# Altium PCB Блок 1а (БУ АРМ).PcbDoc (part 2 of 4) (continued)
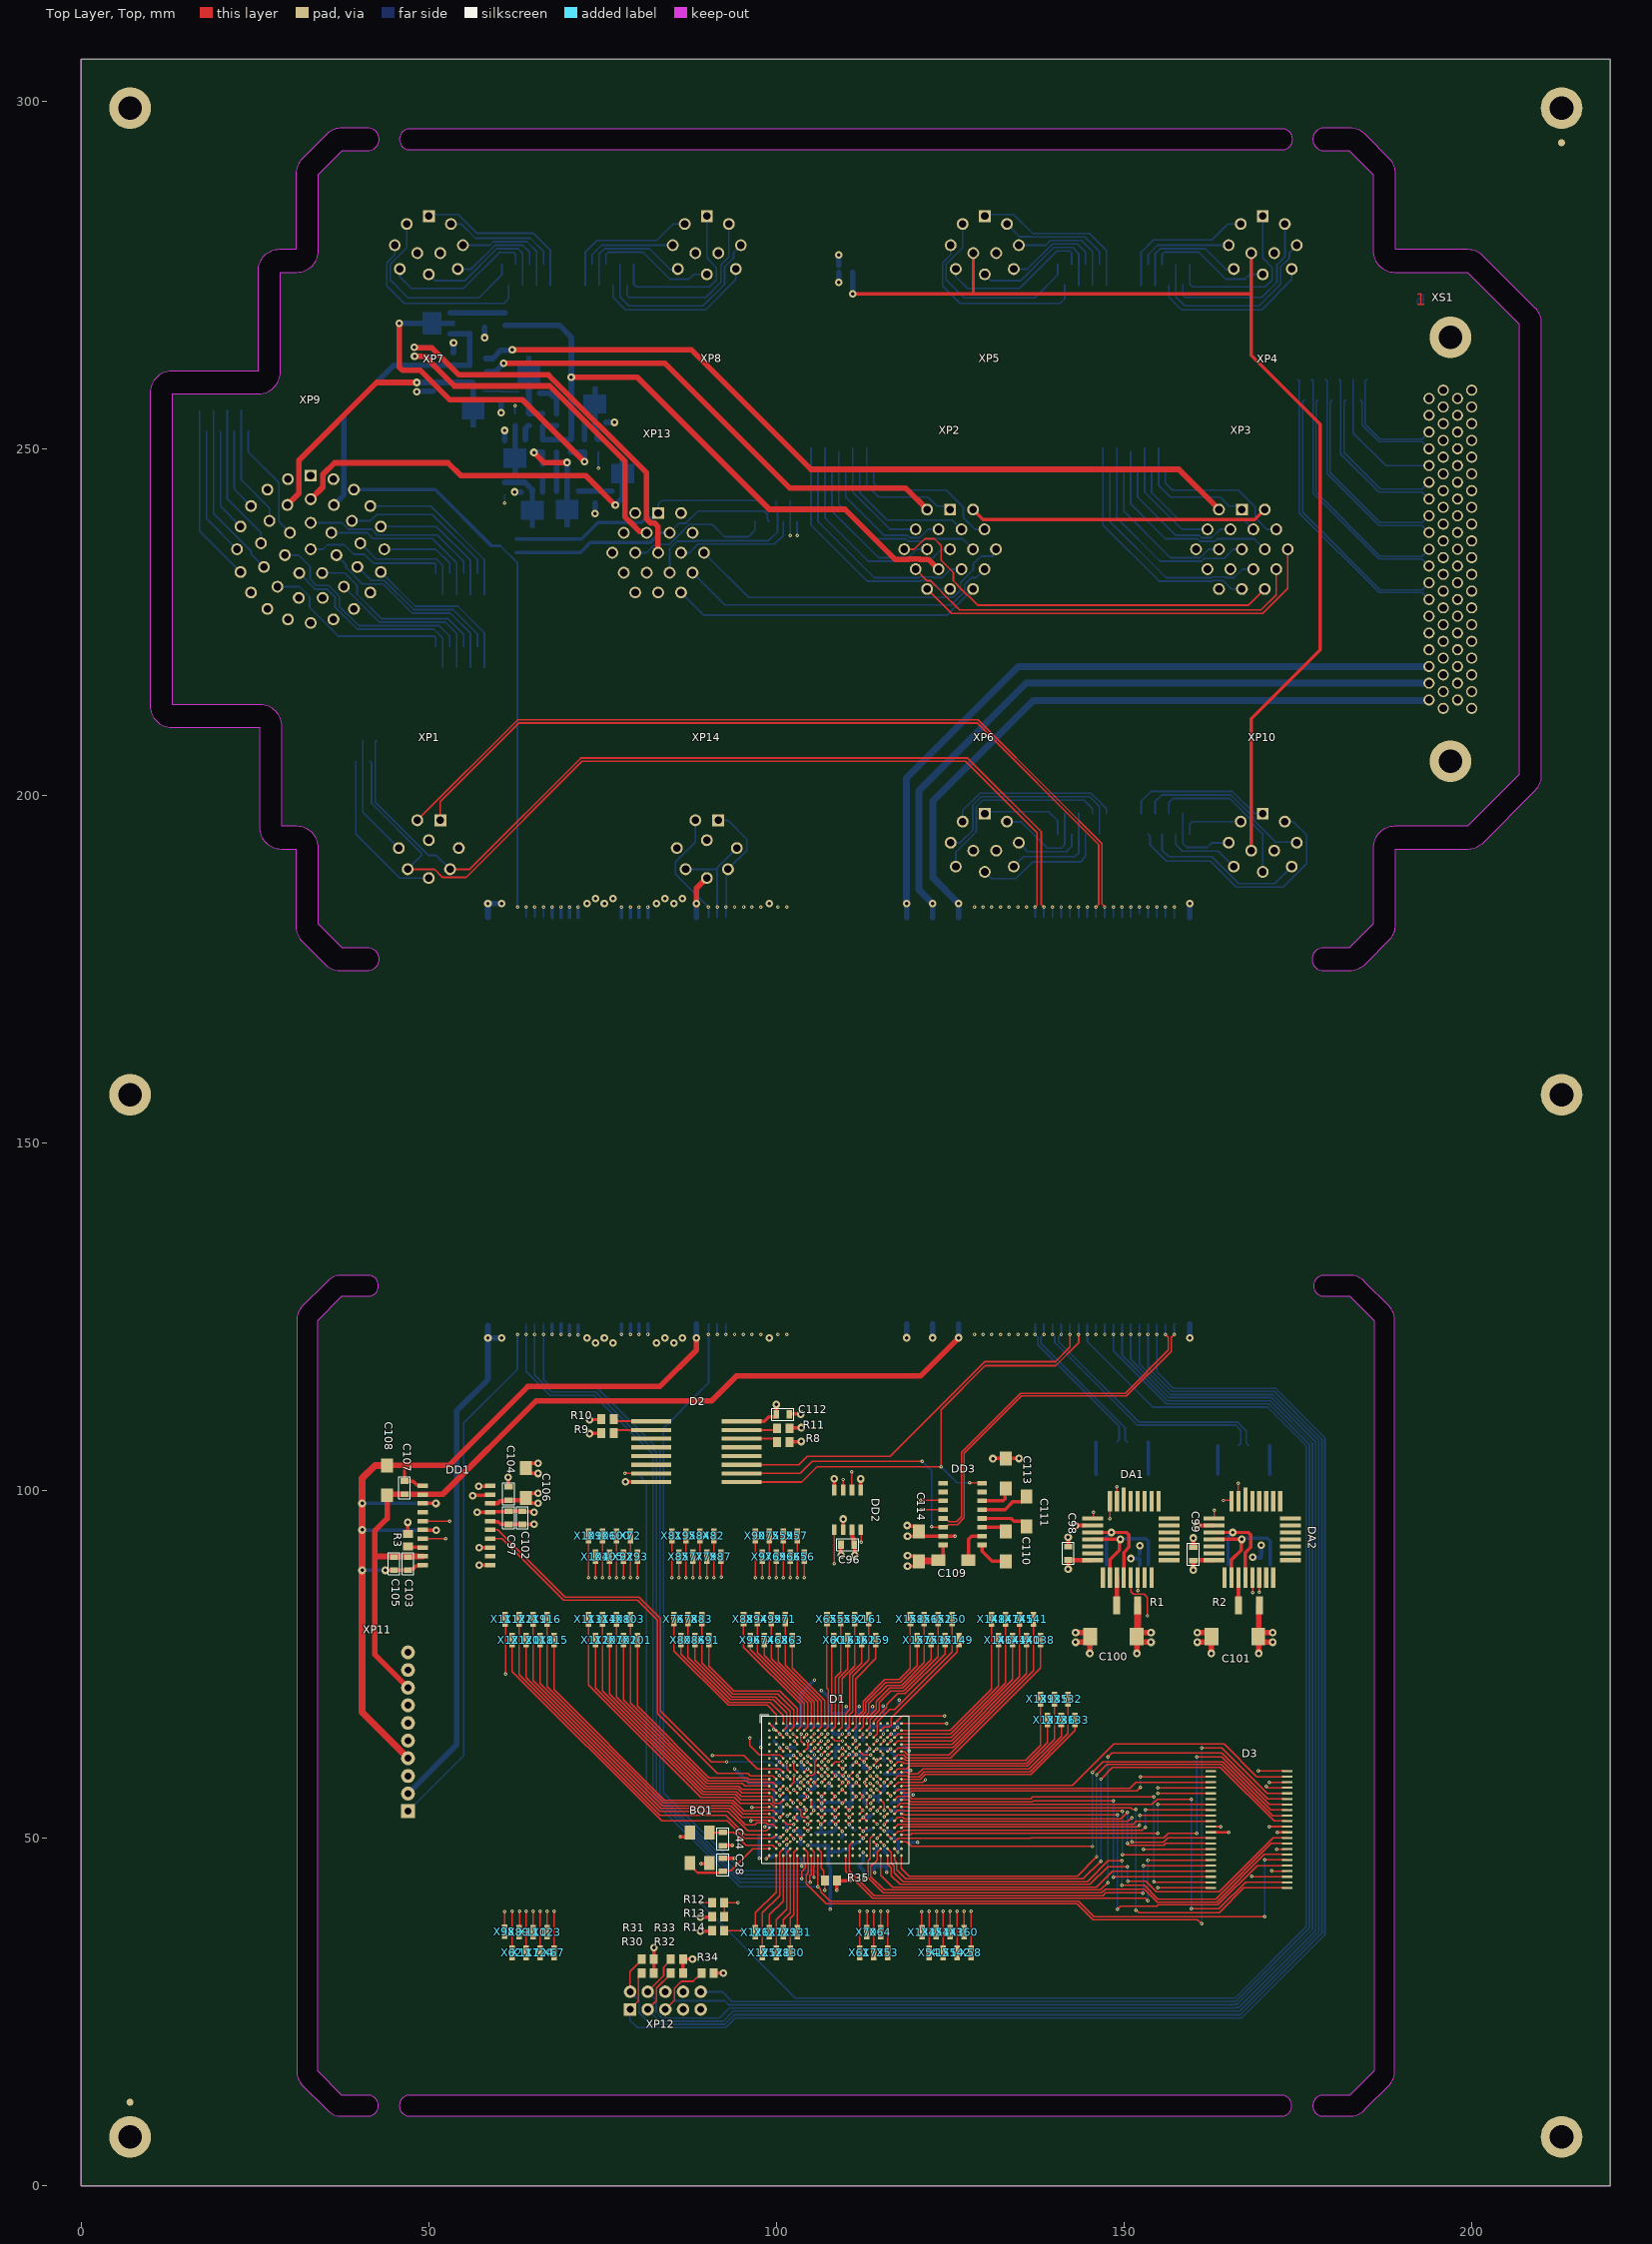
[diagram p0: Top Layer, Top view]
## Nets (pads, with @x,y where several pads share a name; then routed paths per layer and width w, separated by ;. In a path a pad name is that pad's centre, name@x,y a point inside that pad or via, vN(x,y) a via of type N, cw(c..) or ccw(c..) an arc to the next point about the centre after c; other vN are vias at no path point) (continued)
  Bottom Layer w0.8: v2(159.5,122) 159.5,123.35 N61.1@159.5,124 ; N62.1@159.5,182.5 159.5,183.15 v2(159.5,184.5)
  other v1: 163.944,51.638 104.5,52 106.425,52 108.55,52 110.5,52 112.492,53 113.5,56 103.5,58 115.5,58 104.5,60 101.5,65
+5V: C96.1 C98.1 C99.1 C100.1 C101.1 C104.1 C106.1 DA1.10 DA2.10 DD1.8 DD2.3 DD2.5 N55.1 N56.1 R1.1 R2.1 XP11.7 XS1.62 | length 212.4
  Top Layer, Top w0.5: C106.1@63.864,98.19 v2(65.739,98.19) ; C106.1@63.864,99.647 v2(65.739,99.647) ; C96.1@111.254,92.251 111.254,90.766 v2(111.273,90.748) ; v2(112.145,101.7) 112.152,101.693 112.152,100.115 DD2.5@112.159,100.108 ; C100.1@151.85,79 C100.1@151.9,78.95 ; C100.1@151.85,79.6 C100.1@152,79.6 ; C101.1@169.35,79 C101.1@169.4,78.95
  Top Layer, Top w0.6: DD1.8@58.85,98.175 58.875,98.2 59.9,98.2 60.247,98.547 61.364,98.547 C104.1@61.464,98.647 63.664,98.647 C106.1@63.964,98.947 ; DD2.3@110.889,94.393 110.914,94.368 110.914,93.42 111.104,93.23 111.104,92.351 C96.1@111.204,92.251 ; v2(142,88.7) C98.1@142,90.05 142.05,90 DA1.10@145.5,90 ; C99.1@159.95,89.9 C99.1@160,89.95 v2(160,88.6) ; C99.1@160.05,90 DA2.10@163,90
  Top Layer, Top w0.8: C100.1@151.85,78.2 v2(153.925,78.2) ; v2(151.9,76.6) C100.1@151.9,78.95 ; C100.1@152,79.6 v2(153.925,79.6) ; C101.1@169.35,78.2 C101.1@169.4,78.2 ; C101.1@169.35,79 169.425,79.075 C101.1@169.425,79.6 ; C101.1@169.35,79.6 C101.1@169.425,79.6 ; v2(169.4,76.6) C101.1@169.4,78.2 ; C101.1@169.4,78.95 C101.1@169.4,78.2 ; R2.1@169.5,83.5 169.425,83.425 C101.1@169.425,79.6 ; v2(171.425,78.2) C101.1@169.4,78.2 ; v2(171.425,79.6) C101.1@169.425,79.6
  Top Layer, Top w1: C100.1@151.85,79 152,79.15 152,79.6 R1.1@152,83.5
  Layer 1 w2: v2(118.75,122.023) v2(118.75,184.5) v2@118.75,184.523
  Bottom Layer w0.8: v2(118.75,122.023) N56.1@118.75,124 ; N55.1@118.75,182.5 v2(118.75,184.5)
  Bottom Layer w1: v2(118.75,184.5) 118.75,202.564 134.816,218.63 XS1.62@193.925,218.63
+5VEth: N59.1 N60.1 XP11.9 XS1.61 | length 259.3
  Layer 1 w1: v2(122.5,122.023) v2@122.5,122.218
  Layer 1 w2: XP11.9@47,74.2 56.056,74.2 86,104.144 105.394,104.144 122.5,121.25 122.5,122.218 v2(122.5,184.5)
  Bottom Layer w0.8: v2(122.5,122.023) N60.1@122.5,124 ; N59.1@122.5,182.5 v2(122.5,184.5)
  Bottom Layer w1: v2(122.5,184.5) 120.5,186.5 120.5,200.75 135.97,216.22 XS1.61@193.925,216.22
+5Vgd: C103.1 C105.1 C107.1 C108.1 DD1.12 DD1.19 N57.1 N58.1 XP11.8 XS1.60 | length 289
  Top Layer, Top w0.8: C108.1@44,99.35 44,96 42.2,94.2 42.2,90.555 ; C108.1@44.15,99.5 C107.1@46.5,99.5 52,99.5 65.407,112.907 90.657,112.907 94.25,116.5 120.727,116.5 v2(126.25,122.023) ; XP11.8@47,71.66 42.2,76.46 42.2,90.555 ; DD1.19@49.15,90.555 42.2,90.555
  Layer 1 w2: v2(126.25,122.023) v2(126.25,184.5)
  Bottom Layer w0.8: v2(126.25,122.023) N58.1@126.25,124 ; N57.1@126.25,182.5 v2(126.25,184.5)
  Bottom Layer w1: v2(126.25,184.5) 122.5,188.25 122.5,199.25 137,213.75 XS1.60@193.925,213.75
+27_BU_OUT: N53.1 N54.1 VD2.3 XP11.2 | length 285.2
  Layer 1 w0.8: v4(58.02,265.962) 58.02,263.025 58.5,262.546 v2(58.5,184.5) v2@58.5,122.5 ; v2@60.5,122.5 v2(60.5,184.5)
  Bottom Layer w0.8: XP11.2@47,56.42 54.001,63.421 54.001,111.501 58.5,116 v2(58.5,122) ; v4(58.02,265.962) VD2.3@58.02,267.425 ; N53.1@58.5,123.748 v2(58.5,122) ; N54.1@58.5,182.5 v2(58.5,184.5) v2(60.5,184.5) ; v2(60.5,122) v2(58.5,122)
+27V_BU1-1: X191.1 XP9.D | length 24.6
  Bottom Layer w0.25: XP9.D@41.58,241.73 50.258,241.73 58,233.988 X191.1@58,229
+27V_BU1-2: X192.1 XP9.E | length 19.8
  Bottom Layer w0.25: XP9.E@43.09,238.78 51.085,238.78 56,233.865 X192.1@56,229
+27V_BU1-3: X193.1 XP9.F | length 11.7
  Bottom Layer w0.25: XP9.F@43.6,235.5 51,235.5 53,233.5 X193.1@53,232
+27V_BU2-1: X181.1 XP9.Z | length 23.1
  Bottom Layer w0.25: XP9.Z@38.93,239.59 41.59,239.59 42.5,240.5 50.5,240.5 57,234 X181.1@57,232
+27V_BU2-2: X182.1 XP9.mm | length 24.3
  Bottom Layer w0.25: XP9.mm@35.98,237.88 35.995,237.865 41.135,237.865 41.955,237.045 50.48,237.045 54,233.525 X182.1@54,229
+27V_BU2-3: X183.1 XP9.tt | length 20.8
  Bottom Layer w0.25: XP9.tt@33,235.5 34.776,235.5 35.429,236.153 37.847,236.153 39.227,234.773 40.727,234.773 42,233.5 50.854,233.5 51,233.354 X183.1@51,232
+27V_BU3-1: X196.1 XP9.S | length 18.8
  Bottom Layer w0.25: X196.1@18,252.5 18,239.9 XP9.S@22.4,235.5
+27V_BU3-2: X197.1 XP9.T | length 14.9
  Bottom Layer w0.25: X197.1@20,252.5 20,241.69 XP9.T@22.91,238.78
+27V_BU3-3: X198.1 XP9.U | length 11.8
  Bottom Layer w0.25: X198.1@22,252.5 22,244.15 XP9.U@24.42,241.73
+27V_BU4-1: X186.1 XP9.ii | length 17.6
  Bottom Layer w0.25: X186.1@23,255.5 23,245.5 27.07,241.43 XP9.ii@27.07,239.59
+27V_BU4-2: X187.1 XP9.kk | length 26.1
  Bottom Layer w0.25: XP9.kk@33,239.31 37.478,239.31 38.423,238.365 41.773,238.365 42.593,237.545 51.222,237.545 55,233.767 X187.1@55,232
+27V_BU4-3: X188.1 XP9.ss | length 17.1
  Bottom Layer w0.25: X188.1@24,252.5 24,249.5 28.425,245.075 28.425,239.475 XP9.ss@30.02,237.88
+27V_KMPOU-K: VD5.2 X167.1 XP13.P | length 40
  Bottom Layer w0.25: XP13.P@84.65,237.87 86.03,239.25 87,239.25 88.75,241 98.277,241 98.725,240.552 98.725,239.775 X167.1@99,239.5
  Bottom Layer w0.5: VD5.2@62.55,235.05 71.833,235.05 73.283,236.5 81.931,236.5 83.301,237.87 XP13.P@84.65,237.87
+27V_KMPOU-K1: X168.1 XP2.N | length 20.3
  Bottom Layer w0.25: X168.1@110,247 110,243 115.5,237.5 118.84,237.5 119.195,237.145 120.638,237.145 121.863,238.37 XP2.N@123.35,238.37
+27V_KMPOU-K2: X169.1 XP2.V | length 31.3
  Bottom Layer w0.25: X169.1@107,250 107,241.5 107,240 113.225,233.775 119.195,233.775 119.599,234.179 122.435,234.179 123.756,235.5 XP2.V@125,235.5
+27V_KMPOU-N: VD5.1 X164.1 XP13.A | length 38.5
  Bottom Layer w0.25: XP13.A@83,240.72 83,242 83.5,242.5 X164.1@98,242.5
  Bottom Layer w0.5: VD5.1@62.55,236.95 71.95,236.95 74.322,239.322 80.572,239.322 81.245,239.995 82.275,239.995 XP13.A@83,240.72
+27V_KMPOU-N1: X165.1 XP3.N | length 20.3
  Bottom Layer w0.25: X165.1@152,247 152,243 157.5,237.5 160.84,237.5 161.195,237.145 162.638,237.145 163.863,238.37 XP3.N@165.35,238.37
+27V_KMPOU-N2: X166.1 XP3.V | length 31.3
  Bottom Layer w0.25: X166.1@149,250 149,241.5 149,240 155.225,233.775 161.195,233.775 161.599,234.179 164.435,234.179 165.756,235.5 XP3.V@167,235.5
+27V_UV-K1: X199.1 XP2.A | length 18.7
  Bottom Layer w0.25: X199.1@113,250 113,244.709 114.709,243 121.867,243 123.153,241.714 124.506,241.714 XP2.A@125,241.22
+27V_UV-K2: X200.1 XP2.P | length 20.2
  Bottom Layer w0.25: X200.1@112,247 112,243.652 115.953,239.698 125.322,239.698 XP2.P@126.65,238.37
+27V_UV-N1: X194.1 XP3.A | length 18.7
  Bottom Layer w0.25: X194.1@155,250 155,244.709 156.709,243 163.867,243 165.153,241.714 166.506,241.714 XP3.A@167,241.22
+27V_UV-N2: X195.1 XP3.P | length 20.2
  Bottom Layer w0.25: X195.1@154,247 154,243.652 157.953,239.698 167.322,239.698 XP3.P@168.65,238.37
+27V_VM-K1: X189.1 XP2.C | length 21.6
  Bottom Layer w0.25: X189.1@114,247 114,245 115,244 124.45,244 126.899,241.551 126.899,240.058 128.587,238.37 XP2.C@129.95,238.37
+27V_VM-K2: X190.1 XP2.L | length 17.5
  Bottom Layer w0.25: X190.1@111,250 111,243.733 116.363,238.37 XP2.L@120.05,238.37
+27V_VM-N1: X184.1 XP3.C | length 21.6
  Bottom Layer w0.25: X184.1@156,247 156,245 157,244 166.45,244 168.899,241.551 168.899,240.058 170.587,238.37 XP3.C@171.95,238.37
+27V_VM-N2: X185.1 XP3.L | length 17.5
  Bottom Layer w0.25: X185.1@153,250 153,243.733 158.363,238.37 XP3.L@162.05,238.37
-27V_BU1-1: X217.1 XP9.aa | length 17.4
  Bottom Layer w0.25: XP9.aa@40.15,236.37 42.407,234.113 51.094,234.113 52,233.207 X217.1@52,229
-27V_BU1-2: X218.1 XP9.nn | length 29.1
  Bottom Layer w0.25: XP9.nn@36.71,234.65 38.105,233.255 38.105,232.843 40.453,230.494 41.072,230.494 43.401,230.495 47.596,226.3 53.065,226.3 56,223.365 X218.1@56,218.5
-27V_BU1-3: X219.1 XP9.pp | length 26.5
  Bottom Layer w0.25: XP9.pp@34.65,232.07 37.919,232.07 39.681,230.307 39.681,229.026 43.207,225.5 52.767,225.5 55,223.267 X219.1@55,221.5
-27V_BU2-1: X207.1 XP9.G | length 23.5
  Bottom Layer w0.25: XP9.G@43.09,232.22 48.01,227.3 54.188,227.3 58,223.488 X207.1@58,218.5
-27V_BU2-2: X208.1 XP9.bb | length 23.1
  Bottom Layer w0.25: XP9.bb@39.73,232.95 39.757,232.95 41.712,230.995 43.608,230.995 47.803,226.8 53.504,226.8 57,223.304 X208.1@57,221.5
-27V_BU2-3: X209.1 XP9.cc | length 23.9
  Bottom Layer w0.25: XP9.cc@37.78,230.11 42.89,225 52.348,225 54,223.348 X209.1@54,218.5
-27V_BU3-1: X221.1 XP9.hh | length 21.1
  Bottom Layer w0.25: X221.1@21,255.5 21,242.74 25.85,237.89 XP9.hh@25.85,236.37
-27V_BU3-2: X222.1 XP9.qq | length 29.6
  Bottom Layer w0.25: XP9.qq@31.35,232.07 33.685,229.735 35.422,229.735 36.5,228.657 36.5,227.211 39.711,224 50.707,224 52,222.707 X222.1@52,218.5
-27V_BU3-3: X223.1 XP9.rr | length 31.9
  Bottom Layer w0.25: XP9.rr@29.29,234.65 31.257,234.65 32.91,232.997 32.91,231.217 33.84,230.287 35.577,230.287 37.124,228.74 37.124,227.293 39.918,224.5 51.5,224.5 53,223 X223.1@53,221.5
-27V_BU4-1: X212.1 XP9.R | length 25.7
  Bottom Layer w0.25: X212.1@17,255.5 17,238.13 XP9.R@22.91,232.22
-27V_BU4-2: X213.1 XP9.ff | length 28.1
  Bottom Layer w0.25: XP9.ff@28.22,230.11 31.412,230.11 32.845,228.677 32.845,227.113 36.958,223 50.854,223 51,222.854 X213.1@51,221.5
-27V_BU4-3: X214.1 XP9.gg | length 25.6
  Bottom Layer w0.25: X214.1@19,255.5 19,250.635 19,240.632 24.45,235.182 24.45,234.77 XP9.gg@26.27,232.95
-27V_KMPOU-K: X206.1 XP13.R | length 17.7
  Bottom Layer w0.25: XP13.R@86.3,235 87.5,235 88.737,236.237 99.737,236.237 101,237.5 X206.1@101,239.5
-27V_KMPOU-N: X205.1 XP13.U | length 21.4
  Bottom Layer w0.25: XP13.U@79.7,235 81.338,235 82.513,236.175 84.617,236.175 86.04,237.598 86.04,237.622 87.463,239.045 90.819,239.045 92.572,237.291 96.041,237.291 96.25,237.5 96.25,237.562 96.909,238.221 96.909,239.409 X205.1@97,239.5
-27V_UV-K1: X224.1 XP2.G | length 34.9
  Bottom Layer w0.25: X224.1@105,250 105,239 113.095,230.905 120.765,230.905 120.865,231.005 122.288,231.005 123.513,229.78 XP2.G@125,229.78
-27V_UV-N: X220.1 XP3.G | length 34.9
  Bottom Layer w0.25: X220.1@147,250 147,239 155.095,230.905 162.765,230.905 162.865,231.005 164.288,231.005 165.513,229.78 XP3.G@167,229.78
-27V_VM-K1: X215.1 XP2.R | length 29.8
  Bottom Layer w0.25: X215.1@109,249.5 109,243.641 109,243.5 109,242 114,237 118.632,237 118.987,236.645 121.113,236.645 121.473,237.005 126.795,237.005 XP2.R@128.3,235.5
-27V_VM-K2: X216.1 XP2.U | length 23
  Bottom Layer w0.25: X216.1@108,247 108,241 114.725,234.275 118.988,234.275 120.213,235.5 XP2.U@121.7,235.5
-27V_VM-N1: X210.1 XP3.R | length 29.8
  Bottom Layer w0.25: X210.1@151,249.5 151,243.641 151,243.5 151,242 156,237 160.632,237 160.987,236.645 163.113,236.645 163.473,237.005 168.795,237.005 XP3.R@170.3,235.5
-27V_VM-N2: X211.1 XP3.U | length 23
  Bottom Layer w0.25: X211.1@150,247 150,241 156.725,234.275 160.988,234.275 162.213,235.5 XP3.U@163.7,235.5
\BHE: D1.T13 D3.40 | length 61.9
  Top Layer, Top w0.2: D1.T13@111,49.5 110.505,49.005 110.505,45.314 114.069,41.75 146.981,41.75 147.371,42.139 152.707,42.139 v1(152.753,42.093) ; v1(152.8,46) 152.825,46.025 162.475,46.025 D3.40@162.5,46.05
  Bottom Layer w0.2: v1(152.753,42.093) 152.8,42.139 v1(152.8,46)
\BLE: D1.V12 D3.39 | length 62.3
  Top Layer, Top w0.2: D1.V12@110,47.5 110,45.253 113.903,41.35 153.072,41.35 153.422,41 v1(153.5,41) ; v1(153.5,46.8) 153.525,46.825 162.475,46.825 D3.39@162.5,46.85
  Bottom Layer w0.2: v1(153.5,41) v1(153.5,46.8)
\CE: D1.V8 D2.7 D3.6 | length 164.5
  Top Layer, Top w0.2: v1(78.25,102.5) D2.7@81.975,102.5 ; D1.V8@106,47.5 v1(106,43.006) 106.426,42.58 106.426,42.296 107.772,40.95 143.45,40.95 145.7,38.7 v1(170.3,38.7) ; v1(170.3,46.9) 170.325,46.875 D3.6@173.475,46.875
  Bottom Layer w0.2: v1(78.25,102.5) 80.022,102.5 81.35,101.172 81.35,56.401 94.744,43.006 v1(106,43.006) ; v1(170.3,38.7) v1(170.3,46.9)
\OE: D1.V17 D3.41 | length 52
  Top Layer, Top w0.2: D1.V17@115,47.5 115,44.7 116.75,42.95 146.074,42.95 148.374,45.25 D3.41@162.5,45.25
\WE: D1.U17 D3.17 | length 86.8
  Top Layer, Top w0.2: D1.U17@115,48.5 114.495,47.995 114.495,46.822 113.6,45.927 113.6,44.466 115.516,42.55 146.65,42.55 v1(147.7,43.6) ; v1(147.7,61.7) 148.267,62.267 164.092,62.267 170.709,55.65 D3.17@173.45,55.65
  Bottom Layer w0.2: v1(147.7,43.6) v1(147.7,61.7)
BOOT0: D1.P3 R12.2 R13.2 | length 19.4
  Top Layer, Top w0.2: R13.2@92.525,38.7 R12.2@92.525,40.7 92.55,40.725 v1(94.5,40.725) ; v1@100.544,53.007 100.544,53.026 101,53.481 D1.P3@101,53.5
  Layer 1 w0.2: v1(94.5,40.725) 99.25,45.475 99.25,51.725 v1(100.5,52.975)
BOOT1: D1.P4 R14.2 | length 22.3
  Top Layer, Top w0.2: R14.2@92.525,36.7 92.55,36.725 v1(95.075,36.725) ; v1(101.6,53.19) 101.645,53.19 101.955,53.5 D1.P4@102,53.5
  Layer 1 w0.2: v1(95.075,36.725) 99.65,41.3 99.65,51.24 v1(101.6,53.19)
Button_pin: N13.1 N14.1 R12.1 XS1.55 | length 376.4
  Top Layer, Top w0.25: v1(89.05,40.7) R12.1@90.775,40.7
  Layer 1 w0.25: v3(144.75,122.5) v3(144.75,184) 144.75,229.992 163.513,248.755 XS1.55@196.159,248.755
  Bottom Layer w0.25: v1(89.05,40.7) 102.75,27 166,27 176.25,37.25 176.25,106.5 170.707,112.043 154.163,112.043 144.75,121.456 v3@144.75,122.425 ; v3(144.75,122.5) N14.1@144.75,124 ; N13.1@144.75,182.5 v3(144.75,184)
CAN0_RX: D1.J5 DD2.4 | length 54.2
  Top Layer, Top w0.2: D1.J5@103,58.5 103.051,58.5 103.387,58.836 v1@103.449,58.836 ; DD2.4@112.159,94.393 112.2,94.352 v1(112.2,92.6)
  Layer 1 w0.2: v1(103.475,58.875) 102.831,58.231 97.785,58.231 91.198,64.818 91.198,67.398 112.2,88.4 v1(112.2,92.6)
CAN0_TX: D1.H3 DD2.1 | length 51
  Top Layer, Top w0.2: v1(90.775,61.925) 95.338,61.925 97.268,59.995 100.505,59.995 D1.H3@101,59.5 ; v1(108.349,89.526) DD2.1@108.349,94.393
  Layer 1 w0.2: v1(90.775,61.925) 90.775,67.8 108.349,85.374 v1(108.349,89.526)
CAN1_RX: D1.J2 DD1.4 | length 63.4
  Top Layer, Top w0.2: DD1.4@58.85,93.095 60.58,93.095 69.4,84.275 80.059,84.275 82.925,81.409 82.925,67.95 91.55,59.325 95.903,59.325 96.233,58.995 99.505,58.995 D1.J2@100,58.5
CAN1_TX: D1.J4 DD1.5 | length 65.8
  Top Layer, Top w0.2: DD1.5@58.85,94.365 59.91,94.365 69.6,84.675 80.225,84.675 83.325,81.575 83.325,68.3 90.646,60.979 v1(92.85,60.979) ; v1(101.549,58.88) 101.584,58.88 101.964,58.5 D1.J4@102,58.5
  Bottom Layer w0.2: v1(92.85,60.979) 99.293,60.979 101.243,59.03 101.317,59.03 101.467,58.88 v1(101.549,58.88)
CAN-GND_SEG2: XP2.J XP3.E | length 58.9
  Top Layer, Top w0.25: XP2.J@120.05,232.63 121.725,230.955 122.187,230.955 123.825,229.317 123.825,229.293 126.368,226.75 169.75,226.75 171.95,228.95 XP3.E@171.95,232.63
CAN-H: DD2.7 N15.1 N16.1 XP1.G XP3.K XS1.53 | length 339.8
  Top Layer, Top w0.25: XP1.G@48.35,196.49 62.81,210.95 129.05,210.95 140.07,199.93 146.842,193.158 146.842,184.476 147.25,184.067 v3(147.25,184) ; DD2.7@109.619,100.108 v1(109.619,101.619)
  Layer 1 w0.25: v1(109.619,101.619) 110.652,101.619 124.534,115.5 144.149,115.5 146.885,118.236 146.885,122.135 v3(147.25,122.5) v3(147.25,184) 146.842,184.408 146.842,203.467 164.95,221.575 164.95,230.192 164.175,230.967 164.175,232.6 162.464,234.311 161.589,234.311 XP3.K@160.4,235.5 160.4,241.3 163.115,244.015 XS1.53@195.975,244.015
  Bottom Layer w0.25: v3(147.25,122.5) N16.1@147.25,124 ; N15.1@147.25,182.5 v3(147.25,184)
CAN-H_SEG1: XP2.F XP13.F | length 44.9
  Bottom Layer w0.25: XP13.F@86.3,229.28 89.58,226 124.52,226 XP2.F@128.3,229.78
CAN-H_SEG2: XP2.K XP3.F | length 59.4
  Top Layer, Top w0.25: XP2.K@118.4,235.5 119.828,235.5 121.333,237.005 122.745,237.005 123.732,236.018 123.732,233.909 125.475,232.167 125.475,230.967 126.175,230.267 126.175,230.243 128.959,227.459 167.979,227.459 XP3.F@170.3,229.78
CAN-L: DD2.6 N17.1 N18.1 XP1.A XP3.H XS1.54 | length 339
  Top Layer, Top w0.25: XP1.A@51.65,196.49 51.65,199.154 62.996,210.5 128.864,210.5 146.389,192.974 146.389,184.389 v3(146,184) ; v1(110.836,102.734) 110.862,102.707 110.862,100.134 DD2.6@110.889,100.108
  Layer 1 w0.25: v1(110.836,102.734) 124.102,116 144.012,116 146.336,118.324 146.336,122.164 v3(146,122.5) ; v3@145.95,122.5 145.95,184 v3(146,184) 146.389,184.389 146.389,203.651 163.7,220.961 XP3.H@163.7,229.78 162.277,231.203 160.489,231.203 158.865,232.827 158.865,241.512 163.778,246.425 XS1.54@195.975,246.425
  Bottom Layer w0.25: v3(146,122.5) N17.1@146,124 ; N18.1@146,182.5 v3(146,184)
CAN-L_SEG1: XP2.D XP13.D | length 48.9
  Bottom Layer w0.25: XP13.D@89.6,235 96.045,228.555 125.437,228.555 126.528,229.646 126.528,230.746 128.342,232.559 128.342,233.357 129.484,234.5 131.075,234.5 131.221,234.646 131.221,234.729 131.6,235.108 XP2.D@131.6,235.5
CAN-L_SEG2: XP2.H XP3.D | length 60.5
  Top Layer, Top w0.25: XP2.H@121.7,229.78 125.23,226.25 170,226.25 173.6,229.85 XP3.D@173.6,235.5
CAN_GND_SEG1: XP2.E XP13.E | length 46.6
  Bottom Layer w0.25: XP13.E@87.95,232.13 92.58,227.5 125.16,227.5 127.075,229.416 127.075,230.425 128.039,231.389 128.709,231.389 XP2.E@129.95,232.63
CANOpen-H: DD1.17 N19.1 N20.1 XP14.B XP14.E | length 138.9
  Top Layer, Top w0.25: DD1.17@49.15,93.095 v1(52.405,93.095)
  Layer 1 w0.25: v1(52.405,93.095) 52.405,95.629 52.399,95.635 52.399,99.504 66.284,113.389 84.924,113.389 91.933,120.397 91.933,122.049 91.5,122.482 v3(91.5,184)
  Bottom Layer w0.25: XP14.E@86.95,189.45 91.5,189.45 ; v3(91.5,122.5) N19.1@91.5,124 ; N20.1@91.5,182.5 v3(91.5,184) 91.5,189.45 ; XP14.B@94.32,192.5 91.5,189.68 91.5,189.45
CANOpen-L: DD1.15 N21.1 N22.1 XP14.A XP14.C | length 139
  Top Layer, Top w0.25: DD1.15@49.15,95.635 52.968,95.635 v1(52.998,95.604)
  Layer 1 w0.25: v1(52.998,95.604) 52.998,95.672 52.849,95.821 52.849,99.317 66.439,112.907 85.079,112.907 92.383,120.211 92.383,122.133 v3(92.75,122.5) v3(92.75,184)
  Bottom Layer w0.25: XP14.A@91.65,196.49 93.01,196.49 95.75,193.75 95.75,192.15 XP14.C@93.05,189.45 92.798,189.198 92.798,184.048 v3(92.75,184) N21.1@92.75,182.5 ; v3(92.75,122.5) N22.1@92.75,124
EKRAN_1: X201.1 XP13.S | length 24.6
  Bottom Layer w0.25: XP13.S@84.65,232.13 84.65,235.572 85.723,236.645 88.438,236.645 88.53,236.737 98.934,236.737 100.175,237.978 100.175,240.871 100,241.046 X201.1@100,242.5
EKRAN_2: X202.1 XP2.S | length 32.1
  Bottom Layer w0.25: X202.1@106,247 106,239.5 114.095,231.405 120.557,231.405 120.657,231.505 122.495,231.505 122.595,231.405 123.857,231.405 125.082,232.63 XP2.S@126.65,232.63
EKRAN_3: X203.1 XP3.S | length 32.1
  Bottom Layer w0.25: X203.1@148,247 148,239.5 156.095,231.405 162.557,231.405 162.657,231.505 164.495,231.505 164.595,231.405 165.857,231.405 167.082,232.63 XP3.S@168.65,232.63
EKRAN_4: X204.1 XP1.F | length 17.6
  Bottom Layer w0.25: X204.1@40.5,208 40.5,197.68 XP1.F@45.68,192.5
ETH_1_1+: X28.1 XP7.A | length 24.7
  Bottom Layer w0.25: XP7.A@50,283.45 50.246,283.696 54.199,283.696 56.895,281 64.988,281 67.5,278.488 X28.1@67.5,273.5
ETH_1_1-: X29.1 XP7.B | length 16.8
  Bottom Layer w0.25: XP7.B@53.18,282.31 54.664,282.31 56.706,280.268 64.604,280.268 66.5,278.372 X29.1@66.5,276.5
ETH_1_2+: X30.1 XP7.C | length 16.3
  Bottom Layer w0.25: XP7.C@54.9,279.26 58.781,279.26 59.289,279.768 64.097,279.768 65.5,278.365 X30.1@65.5,273.5
ETH_1_2-: X31.1 XP7.D | length 13.9
  Bottom Layer w0.25: XP7.D@54.17,275.83 56.113,275.83 59.551,279.268 63.499,279.268 64.5,278.267 X31.1@64.5,276.5
ETH_1_3+: X32.1 XP7.E | length 20.7
  Bottom Layer w0.25: XP7.E@50,275.07 50.92,274.15 55.14,274.15 59.758,278.768 62.826,278.768 63.5,278.094 X32.1@63.5,273.5
ETH_1_3-: X33.1 XP7.F | length 22.2
  Bottom Layer w0.25: XP7.F@45.83,275.83 45.83,274.719 47.499,273.05 54.984,273.05 60.169,278.235 62.196,278.235 62.5,277.932 X33.1@62.5,276.5
ETH_1_4+: X34.1 XP7.G | length 27.1
  Bottom Layer w0.25: XP7.G@45.1,279.26 45.1,277.898 43.939,276.737 43.939,273.411 46.45,270.9 60.835,270.9 61.5,271.565 X34.1@61.5,273.5
ETH_1_4-: X35.1 XP7.H | length 29
  Bottom Layer w0.25: XP7.H@46.82,282.31 46.82,278.9 44.447,276.527 44.447,274.253 47,271.7 57.2,271.7 60.5,275 X35.1@60.5,276.5
ETH_2_1+: X36.1 XP8.A | length 25.1
  Bottom Layer w0.25: X36.1@79.5,276.5 79.5,273.643 79.893,273.25 90.377,273.25 91.374,274.248 91.374,276.038 90,277.412 XP8.A@90,283.45
ETH_2_1-: X37.1 XP8.B | length 24.8
  Bottom Layer w0.25: X37.1@78.5,273.5 78.5,272.075 78.82,271.755 89.852,271.755 92.039,273.942 92.039,276.445 93.18,277.586 XP8.B@93.18,282.31
ETH_2_2+: X38.1 XP8.C | length 28.1
  Bottom Layer w0.25: X38.1@77.5,276.5 77.5,271.818 78.776,270.541 89.452,270.541 92.576,273.665 92.576,276.18 93.85,277.455 93.85,278.21 XP8.C@94.9,279.26
ETH_2_2-: X39.1 XP8.D | length 23.4
  Bottom Layer w0.25: X39.1@76.5,273.5 76.5,271.787 78.311,269.975 89.831,269.975 94.17,274.314 XP8.D@94.17,275.83
ETH_2_3+: X40.1 XP8.E | length 18
  Bottom Layer w0.25: X40.1@75.5,276.5 75.5,277.925 75.835,278.26 80.81,278.26 84.691,274.379 87.428,274.379 88.119,275.07 XP8.E@90,275.07
ETH_2_3-: X41.1 XP8.F | length 17.4
  Bottom Layer w0.25: X41.1@74.5,273.5 74.5,277.985 75.275,278.76 81.74,278.76 84.75,275.75 85.75,275.75 XP8.F@85.83,275.83
ETH_2_4+: X42.1 XP8.G | length 13.6
  Bottom Layer w0.25: X42.1@73.5,276.5 73.5,277.899 74.861,279.26 XP8.G@85.1,279.26
ETH_2_4-: X43.1 XP8.H | length 20.7
  Bottom Layer w0.25: X43.1@72.5,273.5 72.5,278.247 74.188,279.935 82.794,279.935 85.169,282.31 XP8.H@86.82,282.31
ETH_3_1+: X12.1 XP5.A | length 24.7
  Bottom Layer w0.25: XP5.A@130,283.45 130.246,283.696 134.146,283.696 136.907,280.935 145.053,280.935 147.5,278.488 X12.1@147.5,273.5
ETH_3_1-: X13.1 XP5.B | length 16.8
  Bottom Layer w0.25: XP5.B@133.18,282.31 135.005,280.485 136.648,280.485 136.699,280.433 144.438,280.433 146.5,278.372 X13.1@146.5,276.5
ETH_3_2+: X14.1 XP5.C | length 16.4
  Bottom Layer w0.25: XP5.C@134.9,279.26 138.781,279.26 139.454,279.933 143.932,279.933 145.5,278.365 X14.1@145.5,273.5
ETH_3_2-: X15.1 XP5.D | length 14.1
  Bottom Layer w0.25: XP5.D@134.17,275.83 136.113,275.83 139.716,279.433 143.334,279.433 144.5,278.267 X15.1@144.5,276.5
ETH_3_3+: X16.1 XP5.E | length 20.8
  Bottom Layer w0.25: XP5.E@130,275.07 130.92,274.15 135.14,274.15 139.924,278.933 142.661,278.933 143.5,278.094 X16.1@143.5,273.5
ETH_3_3-: X17.1 XP5.F | length 22.5
  Bottom Layer w0.25: XP5.F@125.83,275.83 125.83,274.719 127.499,273.05 134.984,273.05 140.367,278.433 142.205,278.433 142.5,278.138 X17.1@142.5,276.5
ETH_3_4+: X18.1 XP5.G | length 27.1
  Bottom Layer w0.25: XP5.G@125.1,279.26 125.1,277.898 123.939,276.737 123.939,273.411 126.45,270.9 140.835,270.9 141.5,271.565 X18.1@141.5,273.5
ETH_3_4-: X19.1 XP5.H | length 29
  Bottom Layer w0.25: XP5.H@126.82,282.31 126.82,278.9 124.447,276.527 124.447,274.253 127,271.7 137.2,271.7 140.5,275 X19.1@140.5,276.5
ETH_4_1+: X4.1 XP4.A | length 25.1
  Bottom Layer w0.25: X4.1@159.5,276.5 159.5,273.643 159.893,273.25 170.377,273.25 171.374,274.248 171.374,276.038 170,277.412 XP4.A@170,283.45
ETH_4_1-: X5.1 XP4.B | length 24.8
  Bottom Layer w0.25: X5.1@158.5,273.5 158.5,272.075 158.82,271.755 169.852,271.755 172.039,273.942 172.039,276.445 173.18,277.586 XP4.B@173.18,282.31
ETH_4_2+: X6.1 XP4.C | length 28.1
  Bottom Layer w0.25: X6.1@157.5,276.5 157.5,271.818 158.776,270.541 169.452,270.541 172.576,273.665 172.576,276.18 173.85,277.455 173.85,278.21 XP4.C@174.9,279.26
ETH_4_2-: X7.1 XP4.D | length 23.4
  Bottom Layer w0.25: X7.1@156.5,273.5 156.5,271.787 158.311,269.975 169.831,269.975 174.17,274.314 XP4.D@174.17,275.83
ETH_4_3+: X8.1 XP4.E | length 18
  Bottom Layer w0.25: X8.1@155.5,276.5 155.5,277.925 155.835,278.26 160.81,278.26 164.691,274.379 167.428,274.379 168.119,275.07 XP4.E@170,275.07
ETH_4_3-: X9.1 XP4.F | length 17.4
  Bottom Layer w0.25: X9.1@154.5,273.5 154.5,277.985 155.275,278.76 161.74,278.76 164.75,275.75 165.75,275.75 XP4.F@165.83,275.83
ETH_4_4+: X10.1 XP4.G | length 13.6
  Bottom Layer w0.25: X10.1@153.5,276.5 153.5,277.899 154.861,279.26 XP4.G@165.1,279.26
ETH_4_4-: X11.1 XP4.H | length 20.7
  Bottom Layer w0.25: X11.1@152.5,273.5 152.5,278.247 154.262,280.009 162.654,280.009 164.955,282.31 XP4.H@166.82,282.31
ETH_5_1+: X20.1 XP6.A | length 13.1
  Bottom Layer w0.25: XP6.A@130,197.45 130.293,197.743 139.189,197.743 140.5,196.432 X20.1@140.5,194.5
ETH_5_1-: X21.1 XP6.B | length 14.6
  Bottom Layer w0.25: XP6.B@133.18,196.31 133.24,196.25 135.25,196.25 139,192.5 141,192.5 141.5,193 X21.1@141.5,197.5
ETH_5_2+: X22.1 XP6.C | length 10.2
  Bottom Layer w0.25: XP6.C@134.9,193.26 136.16,192 141.75,192 142.5,192.75 X22.1@142.5,194.5
ETH_5_2-: X23.1 XP6.D | length 15.9
  Bottom Layer w0.25: XP6.D@134.17,189.83 135.59,191.25 143,191.25 143.5,191.75 X23.1@143.5,197.5
ETH_5_3+: X24.1 XP6.E | length 19.5
  Bottom Layer w0.25: XP6.E@130,189.07 130.97,188.1 134.467,188.1 136.867,190.5 143.75,190.5 144.5,191.25 X24.1@144.5,194.5
ETH_5_3-: X25.1 XP6.F | length 28.1
  Bottom Layer w0.25: XP6.F@125.83,189.83 125.83,191.932 128.775,194.877 128.775,198.455 129.709,199.389 144.261,199.389 145.5,198.15 X25.1@145.5,197.5
ETH_5_4+: X26.1 XP6.G | length 30.8
  Bottom Layer w0.25: XP6.G@125.1,193.26 126.451,193.26 128.275,195.084 128.275,198.662 129.502,199.889 145.091,199.889 146.275,198.705 146.275,198.668 146.5,198.443 X26.1@146.5,194.5
ETH_5_4-: X27.1 XP6.H | length 24.9
  Bottom Layer w0.25: XP6.H@126.82,196.31 126.82,197.915 129.315,200.41 145.277,200.41 146.775,198.912 146.775,198.875 147.5,198.15 X27.1@147.5,197.5
ETH_6_1+: X44.1 XP10.A | length 21.1
  Bottom Layer w0.25: X44.1@152.5,197.5 152.5,199.224 153.924,200.648 165.629,200.648 168.827,197.45 XP10.A@170,197.45
ETH_6_1-: X45.1 XP10.B | length 36.2
  Bottom Layer w0.25: X45.1@153.5,194.5 153.775,194.225 153.775,192.967 156.126,190.616 162.445,190.616 166.166,186.895 172.968,186.895 176.326,190.254 176.326,194.388 174.404,196.31 XP10.B@173.18,196.31
ETH_6_2+: X46.1 XP10.C | length 25.5
  Bottom Layer w0.25: X46.1@154.5,197.5 154.5,199.151 155.497,200.148 165.422,200.148 168.775,196.795 168.775,196.445 171.875,193.345 174.815,193.345 XP10.C@174.9,193.26
ETH_6_2-: X47.1 XP10.D | length 24
  Bottom Layer w0.25: X47.1@155.5,194.5 155.5,192.227 156.461,191.266 162.662,191.266 166.532,187.395 171.735,187.395 XP10.D@174.17,189.83
ETH_6_3+: X48.1 XP10.E | length 23.1
  Bottom Layer w0.25: X48.1@156.5,197.5 156.5,199.052 157.096,199.648 165.214,199.648 168.275,196.587 168.275,196.238 170,194.513 XP10.E@170,189.07
ETH_6_3-: X49.1 XP10.F | length 11.2
  Bottom Layer w0.25: X49.1@157.5,194.5 157.5,192.974 158.405,192.069 163.591,192.069 XP10.F@165.83,189.83
ETH_6_4+: X50.1 XP10.G | length 11.4
  Bottom Layer w0.25: X50.1@158.5,197.5 158.5,193.168 159.071,192.597 161.983,192.597 162.646,193.26 XP10.G@165.1,193.26
ETH_6_4-: X51.1 XP10.H | length 8.9
  Bottom Layer w0.25: X51.1@159.5,194.5 159.5,195.956 159.854,196.31 XP10.H@166.82,196.31
ETH_TST_1+: X176.1 XS1.72 | length 26.3
  Bottom Layer w0.2: X176.1@181,260 181.241,259.759 181.241,249.198 186.71,243.729 192.926,243.729 XS1.72@193.925,242.73
ETH_TST_1-: X177.1 XS1.73 | length 22.5
  Bottom Layer w0.2: X177.1@182,257 181.712,256.712 181.712,249.384 186.963,244.132 192.917,244.132 XS1.73@193.925,245.14
ETH_TST_2+: X174.1 XS1.70 | length 31.9
  Bottom Layer w0.2: X174.1@179,260 179.24,259.76 179.24,246.379 186.707,238.912 192.923,238.912 XS1.70@193.925,237.91
ETH_TST_2-: X175.1 XS1.71 | length 28.2
  Bottom Layer w0.2: X175.1@180,257 179.7,256.7 179.7,255.935 179.698,255.933 179.698,246.502 186.888,239.312 192.917,239.312 XS1.71@193.925,240.32
ETH_TST_3+: X172.1 XS1.68 | length 37.6
  Bottom Layer w0.2: X172.1@177,260 177.221,259.779 177.221,243.578 186.707,234.092 192.923,234.092 XS1.68@193.925,233.09
ETH_TST_3-: X173.1 XS1.69 | length 33.9
  Bottom Layer w0.2: X173.1@178,257 177.7,256.7 177.7,255.947 177.686,255.933 177.686,243.694 186.888,234.492 192.917,234.492 XS1.69@193.925,235.5